# Altium PCB LimeSDR-QPCIe_1v2.PcbDoc (part 19 of 21) (continued)
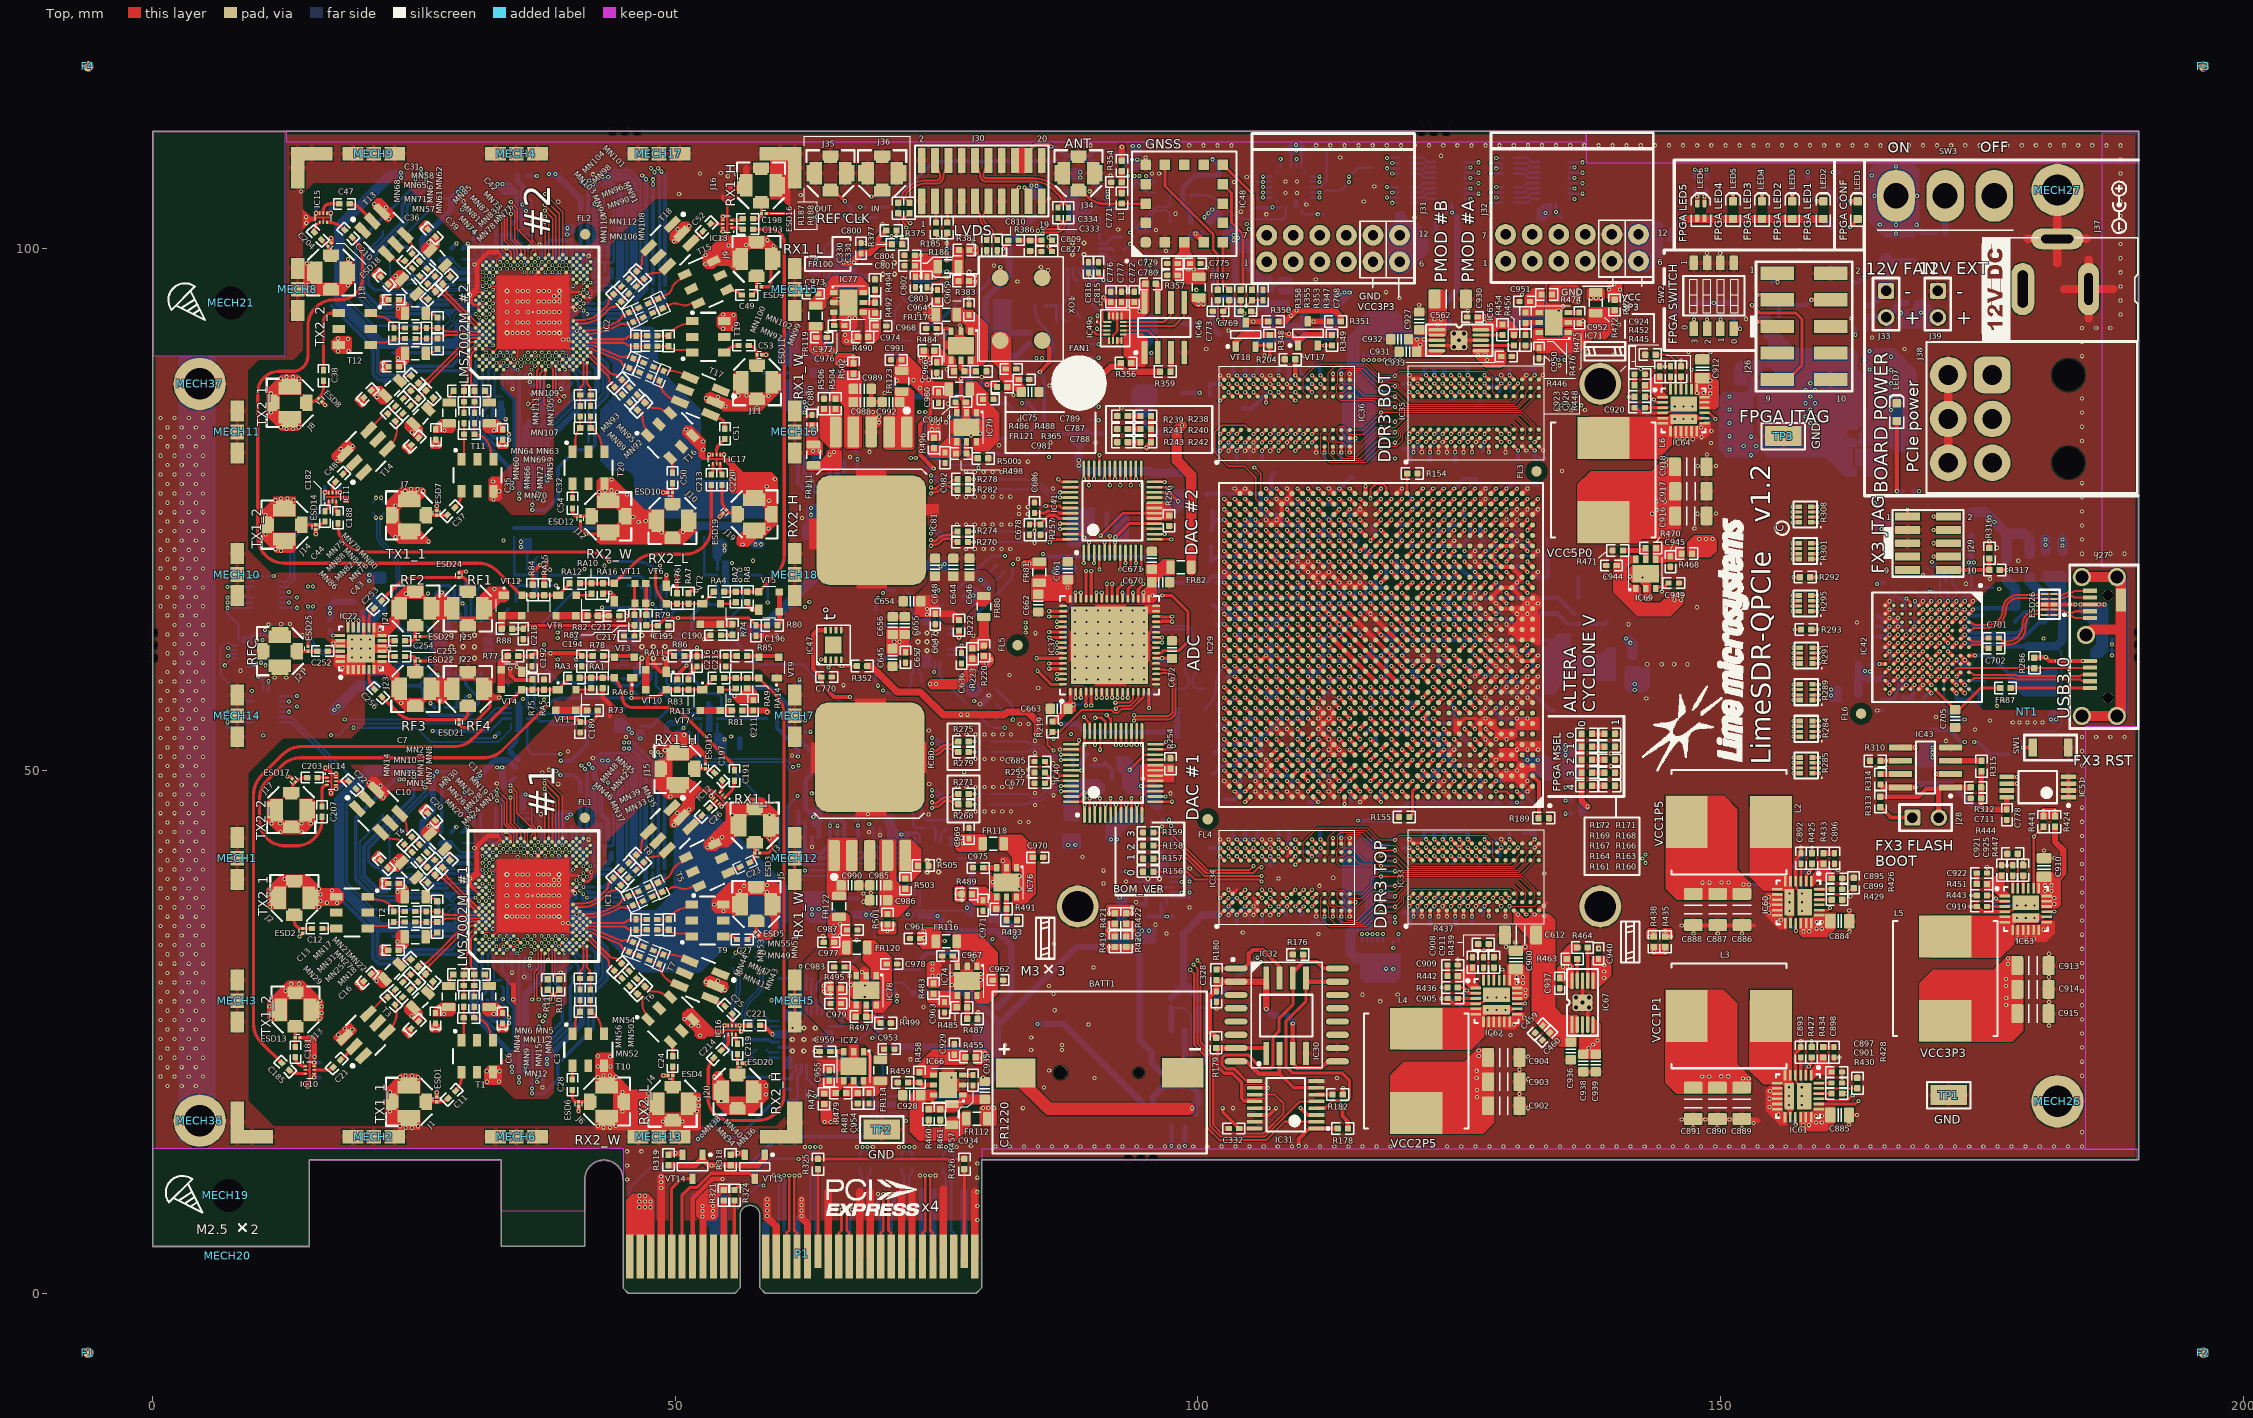
[diagram p0: Top view]
## Nets (pads, with @x,y where several pads share a name; then routed paths per layer and width w, separated by ;. In a path a pad name is that pad's centre, name@x,y a point inside that pad or via, vN(x,y) a via of type N, cw(c..) or ccw(c..) an arc to the next point about the centre after c; other vN are vias at no path point) (continued)
  Bottom w0.254: v1(152.2,39.1) 155.2,39.1 v1(158.75,42.65)
  Bottom w0.35: v1(124.325,103.4) IC45.20@124.325,104.25 ; IC44.20@134.275,104.25 134.275,103.4 C767.1@134.775,102.9
  Bottom w0.4: IC9.15@9,62.525 9.225,62.525 9.7,63 10.75,63 v1(10.75,63.45) ; v1(26.775,53.775) C274.2@31.825,53.775 ; v1(53.475,12.225) 57.1,12.225 59.856,14.981 C230.2@70.05,14.981 ; v1(68.85,24.425) 69.875,25.45 C245.2@69.875,25.553 ; C584.1@101.15,42.6 v1(102.125,42.6) ; C630.1@101.15,85.9 C589.1@101.15,87 v1(102.125,87) ; C632.2@101.225,80.55 101.275,80.6 v1(102.125,80.6) v1(102.925,81.4) v1(103.725,80.6) ; v1(102.125,36.2) v1(102.925,37) v1(103.725,36.2) ; C579.1@103.35,44.275 103.35,43.775 v1(103.725,43.4) v1(104.525,43.4) ; C593.1@103.35,88.675 103.35,88.175 v1(103.725,87.8) v1(104.525,87.8) ; C585.2@103.725,35.375 v1(103.725,36.2) ; C629.1@103.725,79.775 v1(103.725,80.6) ; C597.1@104.275,84.675 C628.1@105.2,84.675 106.725,86.2 v1(106.925,86.2) ; v1(104.525,37) v1(103.725,36.2) ; C583.2@104.525,44.15 v1(104.525,43.4) ; v1(104.525,81.4) v1(103.725,80.6) ; C633.2@104.525,88.55 v1(104.525,87.8) ; C574.1@105.725,44.275 105.725,43.8 v1(105.325,43.4) v1(104.525,43.4) ; C601.1@105.725,88.675 105.725,88.2 v1(105.325,87.8) v1(104.525,87.8) ; C567.1@106.125,35.425 v1(106.125,36.2) ; C590.1@106.125,79.825 v1(106.125,80.6) ; v1(106.525,76) 107.025,76.5 107.025,78.175 C355.2@107.3,78.45 ; C573.1@106.925,40.9 v1(106.925,41.8) ; C474.1@107.075,48.5 107.525,48.95 v1(107.525,49) ; C578.1@107.7,44.275 107.7,43.425 v1(107.725,43.4) ; C610.2@107.7,88.675 107.7,87.825 v1(107.725,87.8) ; v1(107.725,37) 108.375,36.35 C568.1@108.375,36.175 ; C580.1@108.7,44.275 108.7,43.225 v1(109.325,42.6) ; C609.1@108.7,88.675 108.7,87.625 v1(109.325,87) ; C455.1@109,74.475 v1(109.525,75) 110,74.525 C451.1@110,74.475 ; C566.1@109.025,52.45 108.975,52.45 v1(108.525,52) 109.025,51.5 109.732,51.5 110.025,51.207 110.025,50.55 C453.1@110.05,50.525 ; C448.1@109.025,54.55 109.475,55 v1(109.525,55) ; v1(109.325,37) 109.925,36.4 C572.1@109.925,36.175 ; C464.1@110.7,46.975 110.725,47 v1(111.525,47) ; C596.1@110.7,88.65 C613.1@111.7,88.65 111.7,87.825 v1(111.725,87.8) ; C623.1@110.975,35.45 C576.1@112.125,35.45 v1(112.125,36.034) ; C471.1@111.05,70.5 111.05,70.525 v1(111.525,71) ; C570.1@111.7,44.25 111.7,43.425 v1(111.725,43.4) ; C473.1@112,74.5 112.5,74 v1(112.525,74) C454.1@113,74.475 ; C447.1@112.025,53.5 v1(112.525,54) ; C461.1@112.05,50.525 v1(112.525,51) ; C599.1@112.125,79.85 v1(112.125,80.434) ; C450.1@113,56.525 113.05,56.525 v1(113.525,57) ; C475.1@113,67.475 113.05,67.475 v1(113.525,67) ; C452.1@113.05,76.65 113.175,76.65 v1(113.525,77) 114.55,78.025 C356.2@114.825,78.025 ; C577.1@113.725,35.475 v1(113.725,36.034) ; v1(113.725,43.566) C575.1@113.725,44.25 ; C600.1@113.725,79.875 v1(113.725,80.434) ; v1(113.725,87.966) C614.1@113.725,88.65 ; C359.1@114,73.525 114,73.5 114.732,73.5 114.757,73.525 C358.2@115,73.525 v1(115.525,73) ; C456.1@114.025,69.5 v1(114.525,70) ; C462.1@114.075,48.5 114.075,48.55 v1(114.525,49) ; v1(116.525,56) 116.55,56 C563.1@117.025,56.475 ; C458.1@117.075,75.525 117.075,75.55 v1(117.525,76) ; v1(117.525,68) 118.025,68.5 118.025,69.5 C470.1@118,69.525 ; C467.1@118.025,48.475 118.025,48.5 v1(118.525,49) ; v1(118.525,52) 118.55,52 C444.1@119.05,51.5 ; C449.1@119,54.5 119.5,55 v1(119.525,55) ; C476.1@119.025,72.525 119.525,72.025 v1(119.525,72) ; C560.2@119.625,36.375 120.309,36.375 v1(120.625,36.059) ; C540.1@119.625,42.625 v1(120.225,42.625) ; C586.1@119.625,80.775 120.309,80.775 v1(120.625,80.459) ; C604.1@119.625,87.025 v1(120.225,87.025) ; C469.1@120.025,57.475 120.025,57.5 v1(120.525,58) ; C558.2@120.35,35.1 120.35,35.784 v1(120.625,36.059) ; C607.2@120.35,79.5 120.35,80.184 v1(120.625,80.459) ; v1(120.525,75) C565.1@121.05,75.525 ; v1(121.025,37.025) 121.025,36.459 v1(120.625,36.059) ; C472.1@121.025,67.525 121.05,67.525 v1(121.525,68) ; v1(121.025,81.425) 121.025,80.859 v1(120.625,80.459) ; v1(121.825,43.425) 121.625,43.625 C543.1@121.625,44.225 C542.1@122.625,44.225 ; v1(121.825,87.825) 121.625,88.025 121.625,88.625 C608.2@122.625,88.625 ; C443.1@122.025,50.55 122.075,50.55 v1(122.525,51) ; C445.1@122.025,53.525 122.05,53.525 v1(122.525,54) ; C547.1@122.225,35.225 v1(122.225,36.059) 122.225,36.625 v1(122.625,37.025) ; C588.1@122.225,79.625 v1(122.225,80.459) 122.225,81.025 v1(122.625,81.425) ; v1(122.625,43.425) C542.1@122.625,44.225 ; v1(122.625,87.825) C608.2@122.625,88.625 ; v1(123.425,43.425) 123.625,43.625 C537.1@123.625,44.225 ; v1(123.425,87.825) 123.625,88.025 C616.1@123.625,88.625 ; v1(123.525,74) C564.1@124.025,74.5 ; C559.1@124.4,41.1 124.4,41.2 v1(125.025,41.825) ; C634.1@124.4,85.5 124.4,85.6 v1(125.025,86.225) ; v1(124.525,50) C468.1@125,49.525 ; v1(124.525,77) 125.425,77.9 C357.2@126.6,77.9 ; C546.1@124.625,35.225 v1(124.625,36.059) ; C602.1@124.625,79.625 v1(124.625,80.459) ; C446.1@125.025,53.475 125.05,53.475 v1(126.525,52) ; v1(125.525,48) C466.1@126.05,48.525 ; v1(125.825,43.425) C536.1@125.825,44.175 C557.2@124.725,44.175 123.675,44.175 C537.1@123.625,44.225 ; v1(125.825,87.825) C620.1@125.825,88.575 C616.1@123.675,88.575 C616.1@123.625,88.625 ; C552.1@127.225,36.2 127.225,36.825 v1(127.425,37.025) ; C619.1@127.225,80.6 127.225,81.225 v1(127.425,81.425) ; v1(127.425,42.625) 127.725,42.325 128.618,42.325 128.9,42.043 C541.1@128.9,41.85 ; v1(127.425,87.025) 127.725,86.725 128.618,86.725 128.9,86.443 C624.1@128.9,86.25 ; C457.1@128.075,48.575 128.1,48.575 v1(128.525,49) 128.55,49.025 C465.1@129.225,49.025 ; v1(129.525,77) 130.025,77.5 132.45,77.5 C354.2@132.45,77.325 ; v1(129.825,43.425) C539.1@129.825,44.025 ; v1(129.825,87.825) C625.1@129.825,88.425 ; C549.1@130.625,35.475 v1(130.625,36.225) ; C618.1@130.625,79.875 v1(130.625,80.625) ; C555.1@131.2,44.025 132.15,44.025 132.225,44.1 v1(132.225,43.425) ; C621.1@131.2,88.425 132.15,88.425 132.225,88.5 v1(132.225,87.825) ; v1(132.225,36.225) C550.1@132.225,35.475 C554.1@133.25,35.475 ; v1(132.225,80.625) C626.1@132.225,79.875 C635.2@133.25,79.875 ; C542.1@122.625,44.225 C537.1@123.625,44.225 ; C608.2@122.625,88.625 C616.1@123.625,88.625
  Bottom w0.45: v1(124.325,103.4) C766.1@124.825,102.9
  Bottom w0.6: 122.925,93.3 122.925,94.075 124.825,95.975 C766.1@124.825,102.9 ; R331.1@147.46,94.75 R334.1@151.265,94.75
  Bottom w0.7: R363.2@97.48,28.27 98.625,29.415 ; R362.2@100.02,28.27 98.875,29.415 98.625,29.415 ; v1(102.125,36.2) 100.45,36.2 98.625,34.375 98.625,29.415
  other v1: 53.95,12.225 54.4,12.225 82.5,34.075 81.9,34.525 133.15,36.1 152.725,39.1 148.275,39.275 148.95,39.275 150.1,39.3 150.775,39.3 84.5,53.375 108.175,91.8 122.925,92.675 122.625,93.175 123.25,93.175 134.275,103.45
VCC1P8: C360.2 C361.2 C362.2 C363.2 C364.2 C365.1 C399.1 C400.1 C401.1 C402.1 C865.1 FR81.1 FR82.1 FR95.1 FR103.1 FR104.1 IC29.AC8 IC29.AD11 IC29.U10 IC29.Y9 IC57.14 R111.1 R112.1 R113.1 R405.2 R460.1 R474.1 | length 449.1
  Top w0.4: v1(74.25,16.15) R460.1@74.25,16.6 ; IC29.AD11@122.025,70.5 v1(122.525,71) ; v1(122.525,64) IC29.U10@123.025,63.5 ; IC29.Y9@124.025,66.5 v1(124.525,67) ; v1(124.525,70) IC29.AC8@125.025,69.5
  Top w1: v1(98.475,83.05) 97.975,82.55 v1(97.975,82.375) 97.975,79.675 99.375,78.275 FR82.1@99.375,69.15
  L4 w0.4: 55.277,59.948 69.1,46.125 69.1,46.107 69.1,40.5 66.525,37.925 66.525,32.825 68.725,30.625 68.725,26.35 70.75,24.325 70.75,16.475 71.7,15.525 73.625,15.525 v1(74.25,16.15) ; 96.1,97.175 v1(96.1,97.75) ; v1(106.225,106.325) 106.625,106.325 107.325,107.025
  L4 w0.6: v1(16.95,65.55) v1(16.95,65.05) 16.55,64.65 16.55,61.95 17.65,60.85 18.075,60.85 20.775,58.15 53.479,58.15 55.402,60.073
  L4 w0.8: v1(95.55,89.97) 95.55,85.225 96.887,83.888 ; 136.45,95.05 137.275,94.225 142.2,94.225 144.1,96.125 149.9,96.125 150.9,95.125 150.9,87.625 161.275,77.25 161.275,58.45 160.7,57.875 v1@160.7,57.125
  L4 w0.9: 55.402,60.073 60.639,65.311 60.639,77.289 62.15,78.8 62.15,80.975 71.775,90.6 71.775,99.225 73.05,100.5 73.05,101.325 74.825,103.1 91.175,103.1 ; 83.606,69.875 83.606,73.255 84.7,74.349 84.7,75.85 85.2,76.35 85.2,78.025 89.775,82.6 91.911,82.6 ; 90.925,102.8 90.925,101.7 95.6,97.025 100.475,97.025 101.8,95.7 101.8,94.325 101,93.525 101,92.175 98.475,89.65 v1(98.475,83.05) 97.888,82.462 96.423,82.462
  L4 w1.5: 91.05,102.95 92.85,104.75 99.35,104.75 102.975,108.375 106.375,108.375 107.325,107.425 110.275,107.425 110.8,107.95 112.025,107.95 113.275,106.7 113.275,105.375 115.375,103.275 119.035,103.275 119.885,104.125 121.05,104.125 122.15,103.025 122.15,102.025 127.271,96.904 134.996,96.904 136.45,95.45 136.45,95.05
  L9 w0.4: v1(122.525,64) 123.025,64.5 123.732,64.5 124.025,64.793 124.025,66.5 125.025,67.5 125.025,68.7 126.025,69.7 126.025,77.475 ; v1(122.525,71) 123.025,70.5 124.025,70.5 v1(124.525,70) 125.025,70.5 125.025,77.525
  L9 w1: 125.775,78.1 125.9,78.225 131.875,78.225 133.825,80.175 133.825,81.306 133.475,81.656 133.475,84.875 133.825,85.225 133.825,88.3 133.5,88.625 133.5,90.45 135.45,92.4 135.45,93.625 136.45,94.625 136.45,95.525
  Bottom w0.254: C865.1@105.675,106.325 v1(106.225,106.325) IC57.14@107,106.325
  Bottom w0.3: R405.2@96.05,99.35 96.1,99.3 v1(96.1,97.75)
  Bottom w0.4: FR103.1@94.875,89.97 v1(95.55,89.97) ; C399.1@122.05,71.475 v1(122.525,71) 123.025,71.5 125.175,71.5 C363.2@125.675,72 126.025,72.35 C400.1@126.025,73.5 ; C365.1@123.025,63.5 v1(122.525,64) 123.025,64.5 129.825,64.5 C361.2@130.55,63.775 ; C402.1@124.05,67.475 v1(124.525,67) 125.025,66.5 129.782,66.5 C360.2@133.425,66.5 ; C360.2@133.425,66.55 134.45,66.55 C362.2@136.025,64.975
  Bottom w0.6: R111.1@16.976,64.45 16.976,65.801 17.325,66.15 R113.1@19.176,66.15 ; FR104.1@94.849,83.371 95.844,82.375 98.025,82.375 98.475,82.825 v1(98.475,83.05)
  other v1: 160.575,57.175 160.575,57.775 83.375,69.8 83.9,69.8 136.45,94.825 136.45,95.3 136.45,95.8
VCC1P8_FX3: C713.2 C727.1 C728.1 C729.2 C730.2 FR95.2 IC42.E3 IC42.H11 IC42.L9 R297.1 R299.1 R300.1 R302.2 R305.2 R309.2 | length 47
  Top w0.4: IC42.L9@165.775,59.4 v1(166.175,59.8) ; IC42.H11@168.175,57.8 v1(168.575,58.2) ; IC42.E3@170.575,64.2 v1(170.975,64.6)
  L4 w0.4: v1(164.975,67.85) 164.975,70.675 165.4,71.1 v1(165.4,73.125) ; 167.475,67.85 169.575,69.95 v1(170.225,69.95) ; 168.6,66.725 169.025,67.15 v1(170.025,67.15)
  L4 w0.8: v1(164.3,59.475) 164.05,59.475 163.825,59.7 163.825,66.7 v1(164.975,67.85) 167.475,67.85 168.6,66.725 v1(168.6,66.2)
  Bottom w0.2: C713.2@163.575,58.6 168.175,58.6 v1(168.575,58.2) ; C727.1@170.575,67.15 170.575,65 v1(170.975,64.6)
  Bottom w0.4: C713.2@163.175,58.875 165.25,58.875 v1(166.175,59.8) ; v1(164.975,67.85) 165.1,67.975 R302.2@165.625,67.975 ; C729.2@167.45,56.975 C728.1@168.425,56.975 168.425,58.05 v1(168.575,58.2) ; R305.2@168.575,65.55 168.6,65.575 v1(168.6,66.2) ; C730.2@169.575,67.15 v1(170.025,67.15) C727.1@170.475,67.15 ; v1(170.225,69.95) 170.825,69.35 R300.1@170.825,69.325 171.55,68.6 R297.1@171.55,68.15
  Bottom w0.6: C713.2@163.175,59.05 R309.2@163.175,60.2
  Bottom w0.8: FR95.2@163.175,57.325 C713.2@163.175,58.875
  other v1: 163.825,59.525
VCC1P8_LMS: R75.2 R76.2 R83.2 R84.2 | length 50.3
  Top w0.4: v1(34.207,59.775) 34.207,59.175 34.72,58.662 36.263,58.662 R75.2@36.338,58.737 ; R84.2@36.28,67.713 R84.2@36.355,67.788 36.355,68.98 v1(37.05,69.675) ; R76.2@50.093,66.9 R76.2@50.168,66.975 v1(50.168,68.857) ; R83.2@50.187,58.725 50.187,59.162 v1(51.075,60.05)
  L12 w0.4: v1(34.207,59.775) 34.732,59.25 50.275,59.25 v1(51.075,60.05) 51.075,67.95 v1(50.168,68.857) 48.25,70.775 37.55,70.775 37.05,70.275 v1(37.05,69.675)
VCC1P8_LMS1_A: C3.1 C4.2 C5.2 C6.1 C13.1 C14.2 C15.2 C16.1 MN3.2 MN4.2 MN17.2 MN18.2 R477.1
  other v1: 64.275,16.375 64.875,16.375 65.475,16.375 24.766,26.533 25.597,26.657 27.885,26.711 32.634,26.711 27.385,27.386 33.134,27.386 21.408,29.891 21.531,30.722
VCC1P8_LMS1_B: C7.1 C8.2 C9.2 C10.1 C17.1 C18.2 C19.2 C20.1 FR1.2 FR2.1 FR3.1 FR4.2 FR5.2 FR6.2 FR7.2 FR8.2 MN1.2 MN2.2 MN19.2 MN20.2 R39.2 R42.2 R43.1 R381.1 R483.1 | length 197
  L4 w0.6: v1(41.739,50.619) 42.133,50.225 43.775,50.225 44.725,51.175 47.746,51.175 v1@47.925,51.354
  L4 w1: 23.85,49.1 23.65,49.1 23.3,49.45 23.3,50.4 24.225,51.325 37.2,51.325 38.675,52.8 43.025,52.8 44.55,51.275
  L4 w1.2: 74.95,30.575 74.775,30.75 74.775,35.075 70.525,39.325 70.525,55.05 67.5,58.075 67.5,75.975 70.75,79.225 70.75,83.45 72.85,85.55 73.975,85.55 74.725,86.3 77.5,86.3 78.25,87.05 78.25,90.025 79.65,91.425 79.65,97.8 78.7,98.75 78.7,99.75
  Bottom w0.35: C19.2@22.679,40.796 22.914,40.561 v1@23.143,40.561 ; v1(23.22,41.506) 26.345,41.506 27.212,40.64 R39.2@28.8,40.64 ; v1@24.102,49.15 23.139,49.15 19.412,45.423 19.412,39.632 21.484,37.56 24.144,37.56 24.45,37.866 26.961,37.866 27.321,37.506 27.321,37.502 ; 27.307,37.491 FR6.2@27.852,37.491 ; FR7.2@27.325,36.951 27.321,36.955 27.321,37.502 ; 27.332,37.491 27.321,37.502 ; v1(35.037,20.166) 35.043,20.172 v1(35.043,20.666) 35.043,21.457 35.035,21.465 35.035,31.529 FR2.1@35.043,31.537 ; v1(36.787,20.216) 36.743,20.26 36.743,22.893 39.95,26.1 39.95,29.396 40.15,29.597 FR3.1@40.15,30.24 ; FR3.1@40.15,30.265 FR3.1@40.15,30.24 ; FR3.1@40.175,30.265 FR3.1@40.15,30.24 ; FR4.2@43.31,37.415 46.535,37.415 48.375,39.255 48.375,51.078 v1(47.662,51.791)
  Bottom w0.4: FR1.2@32.105,30.755 32.105,30.06 31.948,29.903 R42.2@31.948,28.912 31.506,28.47 31.506,27.126 32.582,26.05 34.11,26.05
  Bottom w0.5: v1@23.143,40.561 23.182,40.6 FR8.2@23.715,40.6
  Bottom w0.55: v1(41.739,50.619) 42.3,50.058 42.3,49.325 42.862,48.763 42.862,45.9 43.537,45.225 R43.1@43.537,43.441
  other v1: 36.787,20.691 34.1,25.85 34.1,26.375 74.6,30.375 75.175,30.375 74.6,30.975 74.6,31.55 24.111,33.136 23.436,33.636 23.436,38.385 24.111,38.885 23.143,40.525 27.208,44.591 26.378,44.714 23.6,49.15 24.05,49.15 42.075,50.25 47.987,51.416 78.7,99.475 78.7,100.125
VCC1P8_LMS2_A: C32.1 C33.2 C34.2 C35.1 C43.1 C44.1 C45.2 C46.2 MN59.2 MN60.2 MN75.2 MN76.2 R478.1
  other v1: 24.792,82.37 25.623,82.494 27.912,82.548 32.661,82.548 27.412,83.223 33.161,83.223 62.375,84.25 62.525,84.75 62.375,85.25 21.434,85.728 21.558,86.559
VCC1P8_LMS2_B: C29.2 C30.2 C31.1 C36.1 C39.1 C40.2 C41.2 C42.1 FR36.2 FR37.1 FR38.1 FR39.2 FR40.2 FR41.2 FR42.2 FR43.2 MN57.2 MN58.2 MN73.2 MN74.2 R56.2 R59.2 R60.1 R383.2 R484.1 | length 116.6
  L9 w0.4: 42.4,105.75 43.825,105.75 45.703,107.628 47.638,107.628 v1(48.013,107.253)
  L9 w0.6: v1(34.1,82.175) 34.1,81.7 34.775,81.025 ; 34.775,79.575 34.775,80.95 ; v1(41.766,106.456) 42.436,105.786
  L9 w1: 29.225,102.1 30.025,102.9 31.275,102.9 32.775,101.4 37.675,101.4 39.075,100 40.125,100 40.975,100.85 40.975,104.325 42.436,105.786
  Bottom w0.35: v1(23.246,97.343) 26.372,97.343 27.238,96.477 R56.2@28.827,96.477 ; v1(25.138,106.578) v1(25.138,106.128) 25.138,105.997 25.122,105.997 19.438,100.313 19.438,95.469 21.511,93.397 23.804,93.397 24.11,93.703 26.988,93.703 27.348,93.343 27.348,93.339 ; 27.352,92.788 27.348,92.792 27.348,93.339 ; FR41.2@27.903,93.328 27.359,93.328 27.348,93.339 ; v1(35.063,76.003) 35.07,76.009 v1(35.07,76.503) FR37.1@35.07,87.374 ; v1(36.813,76.053) 36.77,76.097 36.77,82.026 40.177,85.434 FR38.1@40.177,86.077 FR38.1@40.202,86.102 ; FR39.2@43.457,93.277 46.586,93.277 48.513,95.204 48.513,106.803 v1(47.688,107.628)
  Bottom w0.4: FR36.2@32.132,86.592 32.132,85.897 31.975,85.74 R59.2@31.975,84.749 31.532,84.307 31.532,82.963 32.595,81.9 34.075,81.9
  Bottom w0.5: C40.2@22.629,96.696 22.927,96.398 23.17,96.398 23.209,96.437 FR43.2@23.754,96.437
  Bottom w0.6: v1(41.766,106.456) 42.311,105.911 42.311,105.239 42.963,104.587 42.963,101.75 43.588,101.125 R60.1@43.588,99.278
  other v1: 36.813,76.528 34.1,81.625 24.138,88.973 73.825,89 74.375,89 23.463,89.473 73.5,89.475 74.1,89.475 23.463,94.222 24.138,94.722 23.17,96.363 78.65,96.8 78.65,97.375 27.235,100.428 26.404,100.551 42.113,106.078
VCC1P8A_ADC: C664.2 C665.2 C666.2 C667.2 C668.2 C669.2 C670.2 C671.2 C672.1 FR82.2 IC37.16 IC37.22 IC37.33 IC37.34 R234.1 | length 23.1
  Top w0.3: IC37.34@94.8,66.2 v1(94.8,67.025) ; IC37.16@95.3,57.775 IC37.16@95.3,57.55 95.3,56.075 v1@95.375,56 ; IC37.22@95.75,60.75 IC37.22@96,60.75 v1(96.575,60.75) C672.1@97.5,60.75
  L4 w1: v1(95.325,56) 96.6,57.275 96.6,60.75 97.5,61.65 97.5,63.125 96.725,63.9 96.725,65.3 97.45,66.025 97.45,67.075 96.975,67.55 96.269,67.55 95.8,67.081 95.8,67.075 95.7,66.975
  Bottom w0.3: C667.2@96.05,60.25 96.532,60.732 cw(c96.575,60.69) v1(96.575,60.75) 97.032,60.293 cw(c96.99,60.25) C664.2@97.05,60.25
  Bottom w0.4: C665.2@94.8,57.6 95.3,57.1 ; v1(95.325,56) 95.3,56.025 95.3,57.1 ; C666.2@95.8,57.6 95.3,57.1
  other v1: 95.675,66.75
VCC1P8D_ADC: C658.2 C659.2 C660.2 C661.2 C662.2 C663.1 FR81.2 IC37.1 IC37.48 R219.2 R221.2 R235.2 R238.2 R240.2 R242.2 | length 65
  Top w0.3: v1(87.525,67.525) 87.8,67.25 IC37.48@87.8,66.2
  Top w0.4: C663.1@87.375,56 87.8,56.425 IC37.1@87.8,57.55 IC37.1@87.8,57.775
  Top w0.6: R219.2@86.1,54.7 86.301,54.7 87.375,55.774 C663.1@87.375,56 ; v1@95.097,80.878 95.512,81.294 R242.2@95.512,81.425 R240.2@95.512,82.675 R238.2@95.512,83.925
  L4 w0.8: v1(87.525,67.525) 87.725,67.725 89.09,67.725 89.5,67.315 ; v1@87.918,56.368 87.6,56.685 87.6,57.265 88.285,57.95 95.161,57.95 95.6,58.389 95.6,65.611 94.886,66.325 90.01,66.325 89.5,66.835 89.5,67.825 90.075,68.4 90.715,68.4 91.725,69.41 91.725,70.025 92.575,70.875 93.85,70.875 97.525,74.55 98.5,74.55 99.3,75.35 99.3,76.675 v1(95.075,80.9)
  Bottom w0.2: v1(88.1,56.3) 88.775,56.3 90.1,57.625 R221.2@91.8,57.625
  Bottom w0.3: R235.2@87.35,65.25 C660.2@88.3,66.2
  Bottom w0.4: C659.2@86.975,56.375 87.8,56.375 87.8,57.375 C658.2@88,57.575 ; v1(87.525,67.525) 87.525,66.975 C660.2@88.3,66.2
VCC1P25_LMS1: FR11.1 FR12.1 FR13.1 FR14.1 FR15.2 FR17.1 FR18.1 FR19.1 FR20.1 FR21.2 FR23.2 FR24.2 FR25.2 FR26.2 FR27.2 FR28.1 FR31.2 R48.2 R50.2 R51.1 R52.1 R53.1 R495.1 | length 221.9
  L6 w0.4: v1(64.25,29.45) 64.525,29.725
  Bottom w0.11: 26.234,41.151 27.09,40.295 30.751,40.295 31.197,39.849 32.246,39.849 32.687,39.849 33.293,40.455 34.053,40.455 34.29,40.218 34.29,39.61 34.24,39.56 R53.1@34.26,39.54 ; 31.555,43.94 31.555,43.315 32.363,42.507 32.687,42.507 32.88,42.314 32.88,42.046 33.581,41.345 FR14.1@33.78,41.345
  Bottom w0.2: 26.196,41.125 25.767,41.125 25.748,41.106 23.054,41.106 22.665,41.496 22.665,44.094 26.812,48.241
  Bottom w0.3: v1@27.212,49.891 28.584,49.891 31.355,47.12 31.355,44.54 31.555,44.34 31.555,43.94 ; FR18.1@36.971,31.657 37.145,31.483
  Bottom w0.35: 21.511,35.003 21.511,32.264 21.789,31.986 23.633,31.986 24.513,32.866 28.582,32.866 30.006,34.29 FR27.2@30.3,34.29 ; v1@24.975,49.85 24.975,47.525 20.212,42.762 20.212,39.964 21.789,38.386 22.325,38.386 23.299,39.36 25.893,39.36 26.488,38.765 FR25.2@28.175,38.765 ; R50.2@33.43,31.94 33.43,30.797 33.966,30.261 33.966,27.934 34.585,27.315 34.585,23.114 34.374,22.904 ; FR20.1@41.95,33 42.347,32.604 ; FR21.2@42.855,38.865 43.152,38.865 44.032,39.745 44.856,39.745 45.802,40.691 45.962,40.691 45.962,40.395 44.862,39.295 44.235,39.295 43.88,38.94 R51.1@43.88,38.915 ; v1(45.087,52.694) v1(45.562,52.694) 45.952,52.694 47.837,50.81 FR31.2@47.837,40.771 ; v1@48.312,51.791 48.962,51.141 FR11.1@48.962,40.601
  Bottom w0.4: 26.475,42.925 26.503,42.925 27.638,41.79 FR13.1@30.525,41.79 ; FR24.2@40.918,41.227 41.105,41.415 41.105,41.861 41.1,41.866 41.1,42.414 41.105,42.419 41.105,42.421 41.1,42.426 41.1,43.785 41.562,44.246 41.562,49.948 v1(41.369,50.141) v1(41.012,50.498)
  Bottom w0.5: R48.2@30.866,31.79 30.866,29.195 30.556,28.885 30.556,26.722 34.374,22.904 v1(34.374,21.191)
  Bottom w0.6: 26.475,42.925 25.774,43.626 25.774,45.053 26.812,46.091 26.812,48.241 v1(26.812,49.491) v1@27.212,49.891 ; v1@37.718,21.866 v1(37.718,22.416) 41.066,25.764 41.066,29.134 42.512,30.579 42.512,32.439
  Bottom w0.7: v1@35.668,21.291 v1(35.668,21.716) 35.66,21.724 35.66,28.369 35.668,28.377 35.668,28.543 37.23,30.105 37.23,31.397 37.145,31.483
  Bottom w0.8: 44.712,41.465 44.712,49.273 v1(43.015,50.969) v1(43.562,50.969) 45.308,50.969 46.012,50.266 46.012,40.691
  Bottom w1: 21.511,35.003 28.986,35.003 29.618,35.635 ; 21.662,35.154 17.837,38.98 17.837,47.157 20.679,50 24.825,50 v1@24.975,49.85
  other v1: 35.668,21.241 34.362,21.691 37.737,21.916 64.85,28.6 64.25,28.875 64.85,29.725 24.975,49.4 24.275,49.9 24.8,49.9 27.2,49.9 48.662,51.466 48.337,51.791
VCC1P25_LMS1_DIG: R45.2 R47.2 R501.1 | length 86.2
  L6 w0.8: 28.9,42.375 28.349,42.926 28.349,45.199 32.15,49 32.15,49.4 32.897,50.147 v1@33.3,50.147 ; 29.287,42.262 33.3,46.275 34.4,46.275 34.95,46.825 34.95,48.525 36.525,50.1 36.531,50.1 37.206,50.775 38.25,50.775 38.825,50.2 38.825,49.675
  L6 w1.5: 29.287,42.262 29.287,33.663 33.8,29.15 36.05,29.15 36.5,29.6 39.7,29.6 44.225,34.125 62.65,34.125 64.1,32.675 67.825,32.675 70.35,35.2
  Bottom w0.4: v1(32.962,50.291) v1@33.387,50.291 ; v1(38.611,49.964) v1(39,49.575) 40.275,49.575 40.912,48.938 R45.2@40.912,47.966
  Bottom w0.6: v1@33.437,50.241 33.437,49.291 33.562,49.166 R47.2@33.562,48.541
  other v1: 70.3,34.675 69.725,35.275 70.864,35.285 33.437,50.291
VCC1P25_LMS2: FR46.1 FR47.1 FR48.1 FR49.1 FR50.2 FR52.1 FR53.1 FR54.1 FR55.1 FR56.2 FR57.2 FR59.2 FR60.2 FR61.2 FR62.2 FR63.1 FR66.2 R65.2 R67.2 R68.1 R69.1 R70.1 R496.1 | length 219.9
  Bottom w0.11: 26.217,96.988 26.26,96.988 27.117,96.132 30.777,96.132 31.223,95.686 32.273,95.686 32.713,95.686 33.344,96.317 34.054,96.317 34.317,96.055 34.317,95.447 34.267,95.397 R70.1@34.287,95.377 ; 32.39,98.344 32.713,98.344 32.907,98.151 32.907,97.883 33.608,97.182 FR49.1@33.807,97.182
  Bottom w0.2: 26.217,96.968 25.725,96.968 25.7,96.943 23.081,96.943 22.691,97.333 22.691,99.807 27.624,104.74 28.575,104.74 ; 31.582,99.152 32.39,98.344
  Bottom w0.3: v1(29.563,105.728) 31.382,103.909 31.382,100.377 31.582,100.177 31.582,99.152 ; FR53.1@36.998,87.494 37.171,87.32
  Bottom w0.35: 21.538,90.84 21.538,88.101 21.816,87.823 23.659,87.823 24.539,88.703 28.608,88.703 30.032,90.127 FR62.2@30.327,90.127 ; v1@25.663,107.603 v1(25.663,107.578) v1(25.663,107.128) 25.663,105.885 23.891,104.113 23.891,102.516 20.238,98.864 20.238,95.801 21.816,94.223 22.774,94.223 23.748,95.197 25.919,95.197 26.514,94.602 FR61.2@28.202,94.602 ; R67.2@33.457,87.777 33.457,86.634 34.62,85.472 34.62,78.959 34.401,78.741 ; FR55.1@41.977,88.837 42.373,88.441 ; FR56.2@42.882,94.702 43.179,94.702 44.059,95.582 44.883,95.582 45.828,96.528 45.988,96.528 45.988,96.232 44.888,95.132 44.262,95.132 43.907,94.777 R68.1@43.907,94.752 ; FR66.2@47.863,96.608 v1@47.863,106.647 ; v1@48.338,107.628 49.013,106.953 FR46.1@49.013,96.463
  Bottom w0.4: 26.696,98.596 27.216,98.075 28.802,98.075 29.25,97.627 FR48.1@30.552,97.627 ; FR59.2@40.945,97.065 41.132,97.252 41.132,97.698 41.127,97.703 41.127,98.251 41.132,98.256 41.132,98.258 41.127,98.263 41.127,99.622 41.663,100.158 41.663,105.71 v1(41.395,105.978) v1(41.038,106.335)
  Bottom w0.5: R65.2@30.892,87.627 30.892,85.032 30.582,84.722 30.582,82.559 34.401,78.741 v1(34.401,77.028)
  Bottom w0.6: 26.696,98.596 25.8,99.491 25.8,100.89 28.575,103.665 28.575,104.74 v1(29.2,105.365) v1(29.563,105.728) ; v1@37.745,77.703 v1(37.745,78.253) 37.745,81.623 42.538,86.416 42.538,88.276
  Bottom w0.65: 37.24,84.315 37.24,87.251
  Bottom w0.7: v1@35.695,77.128 v1(35.695,77.553) 35.695,82.77 37.24,84.315 ; 37.171,87.32 37.24,87.251
  Bottom w0.8: 44.738,97.302 44.738,105.11 v1(43.042,106.807) v1(43.588,106.807) 45.335,106.807 46.038,106.103 46.038,96.528
  Bottom w1: 21.538,90.84 29.013,90.84 29.645,91.472 ; 21.689,90.991 17.863,94.817 17.863,102.088 22.753,106.978 23.638,106.978
  other v1: 35.695,77.078 34.388,77.528 37.763,77.753 74.575,82.655 75.1,82.65 74.575,83.25 75.125,83.25 47.863,106.1 47.863,106.575 23.763,106.728 23.763,107.228 48.688,107.303 48.363,107.628
VCC1P25_LMS2_DIG: R63.2 R64.2 R502.1 | length 61
  L4 w2: 33.6,106.575 35.225,108.2 37.5,108.2 38,107.7 39.9,107.7 41.525,109.325 57.05,109.325 60.588,105.787 60.588,104.637 61.35,103.875 61.35,102.325 62.625,101.05 63.15,101.05 64.8,99.4 64.8,98 68.65,94.15 68.65,90.475 67.225,89.05 v1@66.375,89.05
  Bottom w0.4: 34.138,106.078 34.838,105.378 34.838,102.778 R64.2@34.338,102.278
  Bottom w0.6: v1(37.913,107.078) 38.522,107.078 40.938,104.662 R63.2@40.938,103.803
  other v1: 65.625,89 66.375,89 67,89.55 32.988,106.128 33.463,106.128 38.538,107.078
VCC2P5: C318.1 C366.2 C367.2 C368.2 C369.2 C370.2 C371.1 C521.1 C522.1 C523.1 C524.1 C525.1 C526.1 C527.1 C528.1 C529.1 C530.1 C531.1 C532.1 C533.1 C534.1 C535.1 C902.2 C903.2 C904.2 C953.2 C956.2 C961.2 C964.2 C969.2 C972.2 C977.2 C980.2 C987.2 C991.2 FR79.1 FR114.1 FR115.1 FR116.1 FR117.1 FR118.1 FR119.1 FR120.1 FR121.1 FR122.1 FR123.1 IC29.AB11 IC29.AC12 IC29.AC17 IC29.AC20 IC29.AD10 IC29.AD15 IC29.AE11 IC29.AE21 IC29.D24 IC29.F11 IC29.F21 IC29.F23 IC29.G13 IC29.G16 IC29.G19 J26.4 L4.2 R162.1 R165.1 R399.2 R408.2 R421.2 R422.2 R436.2 R473.2 | length 122.6
  Top w0.309: v1(123.325,29.25) R436.2@123.875,29.25
  Top w0.4: 74.375,86.075 74.425,86.025 74.425,84.118 73.4,83.093 73.4,80.225 v1(74.725,78.9) ; v1(108.525,51) IC29.D24@109.025,50.5 ; v1(109.525,53) IC29.F23@110.025,52.5 ; v1(111.525,53) IC29.F21@112.025,52.5 ; v1(111.525,72) IC29.AE21@112.025,71.5 ; v1(112.525,70) IC29.AC20@113.025,69.5 ; v1(113.525,54) IC29.G19@114.025,53.5 ; v1(115.525,70) IC29.AC17@116.025,69.5 ; v1(116.525,54) IC29.G16@117.025,53.5 ; IC29.AD15@118.025,70.5 v1(118.525,71) ; v1(119.525,54) IC29.G13@120.025,53.5 ; v1(120.525,70) IC29.AC12@121.025,69.5 ; v1(121.525,53) IC29.F11@122.025,52.5 ; v1(121.525,69) IC29.AB11@122.025,68.5 ; IC29.AE11@122.025,71.5 v1(122.525,72) ; IC29.AD10@123.025,70.5 v1(123.525,71) ; v1(158.693,95.043) J26.4@160.55,95.043
  L3 w0.5: 140.4,96.575 140.85,97.025 152.225,97.025 153.15,96.1 157.636,96.1 v1(158.693,95.043)
  L9 w1.2: 114.25,85.05 115.425,86.225 115.425,88.338 114.9,88.863 114.9,90.8 118.325,94.225 119.577,94.225 122.202,96.85 139.125,96.85 140,95.975
  Bottom w0.254: C369.2@115.449,72.074 115.07,71.696 115.07,70.455 v1(115.525,70) ; C535.1@123,70.525 123.475,71 v1(123.525,71) 123.979,70.546 133.45,70.546 C368.2@133.45,72.25 ; v1(123.325,29.25) 126.875,25.7 v1(126.875,22.7)
  Bottom w0.4: R399.2@74.128,79.058 74.286,78.9 v1(74.725,78.9) ; v1(83.175,85.15) 83.759,85.15 R408.2@84.355,84.555 ; v1(108.525,51) 108.975,50.55 C525.1@108.975,50.5 ; v1(109.525,53) 110.025,53.5 C526.1@110.05,53.5 ; C527.1@111.05,52.55 111.5,53 v1(111.525,53) ; v1(111.525,72) 111.55,72 C529.1@112.025,71.525 ; C530.1@112.025,69.5 v1(112.525,70) ; C524.1@113.05,53.5 113.525,53.975 v1(113.525,54) ; C521.1@116.025,53.5 v1(116.525,54) ; C534.1@118.025,70.5 v1(118.525,71) ; C522.1@119.025,53.5 v1(119.525,54) ; v1(120.525,70) 120.525,69.975 C533.1@121,69.5 121.025,69.5 v1(121.525,69) 122.025,68.5 123.757,68.5 125.025,68.5 C528.1@125.025,68.525 ; C523.1@121.025,52.475 121.525,52.975 v1(121.525,53) ; v1(122.525,72) C532.1@123.025,72.5 C371.1@123.025,73.45 ; C531.1@132,68.5 133.425,68.5 C367.2@133.45,68.525 ; C366.2@133.45,70.546 133.475,70.521 C367.2@133.475,68.5 ; R165.1@154.525,94.525 155.6,94.525 ; R162.1@155.6,93.525 155.6,94.525 ; C318.1@156.575,94.525 155.6,94.525 ; C318.1@156.65,94.525 158.175,94.525 v1(158.693,95.043)
  other v1: 126.7,18.775 126.7,19.45 126.675,20.6 126.675,21.275 126.875,23.225 73.85,33.45 73.85,34 65.764,34.21 65.164,34.485 73.85,34.575 65.164,35.06 65.764,35.335 91.5,36.35 93.7,36.35 93.7,36.9 77.525,43.025 77,43.15 77.375,43.575 135.175,51.475 135.175,51.975 135.175,52.45 73.4,86.6 71.225,87.325 72.8,87.35 73.6,87.35 74.25,87.375 65,90.15 63.225,90.175 64.075,90.175 74.4,93.45 73.9,93.65 74.425,94.425 139.35,96.025 140.4,96.025 139.875,96.575